# KiCad board poly_kb.kicad_pcb (continued)
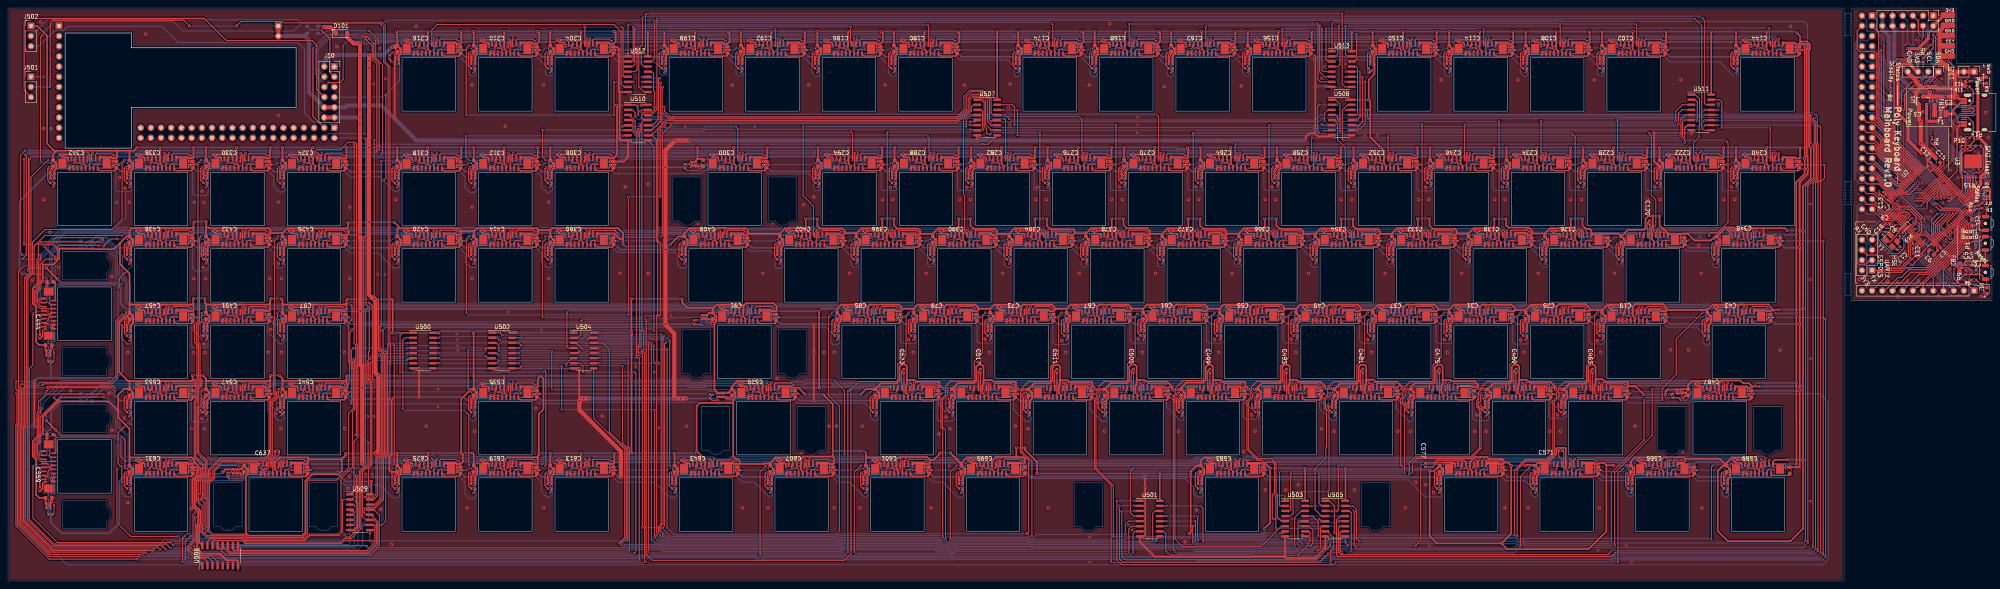
[diagram p0: board, top side]
## Routing (per net, layer and track width the routed paths; a pad name or vN(x,y) marks a point on that pad's centre or on a via; arc(x,y) is an arc through that point) (continued)
  Top w0.5: J2.A12 486.03,120.09 v1(485.34,120.78) ; J2.A1 485.9,113.59 v1(485.37,113.06) 485.37,110.41 486.31,109.47 v2(487.42,109.47) ; 487.45,124.69 487.42,124.66 R11.1 v1(486.18,123.24) 485.01,123.24 484.81,123.04 ; C12.2 479.24,106.23 C15.2 ; C3.2 476.05,116.99 475.86,117.18
  Top w1: C15.2 v1(476.36,109.11) 476.33,109.14 v1(476.33,114.6) 475.87,115.06 475.87,117.17 475.86,117.18 U1.1 475.71,118.94 475.7,118.94 475.11,119.53 475.11,121.95 476.2,123.04 ; 484.81,126.14 481,129.94 481,137.24 482.32,138.56 J1.3 ; 484.81,126.14 484.81,123.04 ; 484.81,126.14 484.81,126.29 485.52,127 J8.1 ; J9.1 J9.2 ; J10.9 J10.10 ; 483.29,120.78 484.81,120.78 ; 484.81,120.78 484.81,123.04 ; 484.81,120.78 v1(485.34,120.78) ; 484.81,123.04 484.59,122.82 480.43,122.82 480.06,123.19 480.03,123.16 478.01,123.16 477.9,123.05 476.42,123.05 476.3,123.16 ; 473.2,126.62 475.25,124.58 475.25,124.29 476.14,123.39 476.43,123.39 ; v1(168.8,45.5) v1(166.1,45.5) 165.89,45.71 165.89,61.72 163.7,63.91 v1(163.7,103.15) 163.7,107.39 164.64,108.33 164.67,108.33 v2(166.19,109.86) v2(167.82,109.86) v2(169.42,109.86) ; v2(152.63,25.93) 152.63,32.28 142.29,42.62 v1(142.29,44.99) 142.79,45.49 143.37,45.49 v1(143.38,45.5) v1(144.54,45.5)
  Bottom w0.292: v2(474.36,82.44) 476.09,84.17 v2(476.09,86.55) ; v2(487.42,109.47) 490.08,106.81 v2(490.73,106.81) v2(490.73,102.49) 492.63,100.58 492.63,95.4 v2(490.83,93.59) v1(490.83,91.29) v1(490.83,89.39) 490.83,88.81 v2(490.32,88.3) 491.28,87.34 491.28,79.19 v2(490.09,78) 488.47,76.38 ; 468.83,81.08 v2(468.83,81) ; v2(480.09,82.02) 480.09,80.62 484.38,76.33 488.42,76.33 488.47,76.38 ; v2(473,90.44) 471.42,88.86 v2(469.52,88.86) 467.26,88.86 v2(467.12,88.72) 466.42,88.02 466.42,87.58 466.9,87.1 v2(468.2,87.1) ; v2(488.47,75.06) 488.47,76.38
  Bottom w0.4: 428.76,130.72 429.48,130.72 ; 429.48,130.72 v1(429.87,131.1) ; 429.48,130.72 v1(429.87,131.1) ; 429.48,130.72 413.82,130.72 412.8,131.74 412.8,132.85 412.48,133.17 v1(411.92,133.17) 408.32,133.17 407.74,132.58 406.02,132.58 405.01,131.57 LED_101.3 403.39,132.09 401.69,132.09 v1(401.57,131.97) 397.4,131.97 v1(396.53,131.1) 396.14,130.72 394.77,130.72 393.75,131.74 393.75,132.85 393.43,133.17 v1(392.87,133.17) 389.27,133.17 388.69,132.58 386.97,132.58 385.96,131.57 LED_102.3 384.34,132.09 382.64,132.09 v1(382.52,131.97) 378.35,131.97 v1(377.48,131.1) 377.09,130.72 375.72,130.72 374.7,131.74 374.7,132.85 374.38,133.17 v1(373.82,133.17) 370.22,133.17 369.64,132.58 367.92,132.58 366.91,131.57 LED_103.3 365.29,132.09 363.59,132.09 v1(363.47,131.97) 359.3,131.97 v1(358.43,131.1) 358.04,130.72 356.67,130.72 355.65,131.74 355.65,132.85 355.33,133.17 v1(354.77,133.17) 351.17,133.17 350.59,132.58 348.87,132.58 347.86,131.57 LED_109.3 346.24,132.09 344.54,132.09 v1(344.42,131.97) 340.25,131.97 v1(339.38,131.1) 338.99,130.72 v1(325.38,130.72) 324.53,131.56 324.53,132.85 324.22,133.17 v1(323.65,133.17) 320.06,133.17 319.47,132.58 317.75,132.58 316.74,131.57 LED_110.3 315.13,132.09 313.43,132.09 v1(313.31,131.97) 309.13,131.97 v1(308.26,131.1) 307.88,130.72 306.5,130.72 305.48,131.74 305.48,132.85 305.17,133.17 v1(304.6,133.17) 301.01,133.17 300.42,132.58 298.7,132.58 297.69,131.57 LED_111.3 296.08,132.09 294.38,132.09 v1(294.26,131.97) 290.08,131.97 v1(289.21,131.1) 288.83,130.72 287.45,130.72 286.43,131.74 286.43,132.85 286.12,133.17 v1(285.55,133.17) 281.96,133.17 281.37,132.58 279.65,132.58 278.64,131.57 LED_112.3 277.03,132.09 275.33,132.09 v1(275.21,131.97) 271.03,131.97 v1(270.16,131.1) 269.78,130.72 268.4,130.72 267.38,131.74 267.38,132.85 267.07,133.17 v1(266.5,133.17) 262.91,133.17 262.32,132.58 260.6,132.58 259.59,131.57 LED_113.3 257.98,132.09 256.28,132.09 v1(256.16,131.97) 251.98,131.97 v1(251.11,131.1) 250.73,130.72 ; v1(445.25,133.17) 441.66,133.17 441.07,132.58 439.36,132.58 438.34,131.57 LED_108.3 436.73,132.09 435.03,132.09 v1(434.91,131.97) 430.73,131.97 v1(429.87,131.1) ; 250.01,130.72 250.73,130.72 ; 250.73,130.72 237.45,130.72 236.42,131.74 236.42,132.85 236.11,133.17 v1(235.54,133.17) 231.95,133.17 231.37,132.58 229.65,132.58 228.63,131.57 LED_114.3 227.02,132.09 225.32,132.09 v1(225.2,131.97) 221.02,131.97 v1(220.16,131.1) 219.77,130.72 218.4,130.72 217.37,131.74 217.37,132.85 217.06,133.17 v1(216.49,133.17) 212.9,133.17 212.32,132.58 210.6,132.58 209.58,131.57 LED_115.3 207.97,132.09 206.27,132.09 v1(206.15,131.97) 201.97,131.97 v1(201.11,131.1) 200.72,130.72 199.35,130.72 198.32,131.74 198.32,132.85 198.01,133.17 v1(197.44,133.17) 193.85,133.17 193.27,132.58 191.55,132.58 190.53,131.57 LED_116.3 188.92,132.09 187.22,132.09 v1(187.1,131.97) 182.92,131.97 v1(182.06,131.1) 181.67,130.72 180.3,130.72 179.27,131.74 179.27,132.85 178.96,133.17 v1(178.39,133.17) 174.8,133.17 174.22,132.58 172.5,132.58 171.48,131.57 LED_117.3 169.87,132.09 168.17,132.09 v1(168.05,131.97) 163.87,131.97 v1(163.01,131.1) 162.62,130.72 162.3,130.72 ; v1(96.49,131.1) 97.36,131.97 v1(101.53,131.97) 101.66,132.09 103.35,132.09 LED_120.3 104.97,131.57 105.98,132.58 107.7,132.58 108.29,133.17 v1(111.88,133.17) 112.44,133.17 112.76,132.85 112.76,131.74 113.78,130.72 114.44,130.72 114.44,130.72 115.15,130.72 v1(115.54,131.1) 116.41,131.97 v1(120.58,131.97) 120.71,132.09 122.4,132.09 LED_119.3 124.02,131.57 125.03,132.58 126.75,132.58 127.34,133.17 v1(130.93,133.17) 131.49,133.17 131.81,132.85 131.81,131.74 132.83,130.72 133.49,130.72 133.49,130.72 134.2,130.72 v1(134.59,131.1) 135.46,131.97 v1(139.63,131.97) 139.76,132.09 141.45,132.09 LED_118.3 143.07,131.57 144.08,132.58 145.8,132.58 146.39,133.17 v1(149.98,133.17) 150.54,133.17 150.85,132.86 150.85,132.1 152.24,130.72 162.3,130.72 ; 134.2,102.14 v1(134.59,102.53) ; v1(134.59,102.53) 135.46,103.4 v1(139.63,103.4) 139.76,103.52 141.45,103.52 LED_135.3 143.07,102.99 144.08,104 145.8,104 146.39,104.59 v1(149.98,104.59) 150.54,104.59 150.86,104.28 150.86,103.16 150.9,103.12 v1(172.26,103.12) 172.53,103.4 v1(177.73,103.4) 177.86,103.52 179.55,103.52 LED_134.3 181.17,102.99 182.18,104 183.9,104 184.49,104.59 v1(188.08,104.59) 188.64,104.59 188.96,104.28 188.96,103.16 189.98,102.14 200.88,102.14 v1(201.27,102.53) 202.13,103.4 v1(206.31,103.4) 206.43,103.52 208.13,103.52 LED_133.3 209.74,102.99 210.76,104 212.47,104 213.06,104.59 v1(216.65,104.59) 217.22,104.59 217.53,104.28 217.53,103.16 218.55,102.14 219.93,102.14 v1(220.32,102.53) 221.18,103.4 v1(225.36,103.4) 225.48,103.52 227.18,103.52 LED_132.3 228.79,102.99 229.81,104 231.52,104 232.11,104.59 v1(235.7,104.59) 236.27,104.59 236.58,104.28 236.58,103.16 237.6,102.14 238.98,102.14 v1(239.37,102.53) 240.23,103.4 v1(244.41,103.4) 244.53,103.52 246.23,103.52 LED_131.3 247.84,102.99 248.86,104 250.57,104 251.16,104.59 v1(254.75,104.59) 255.32,104.59 255.63,104.28 255.63,103.16 256.65,102.14 258.03,102.14 v1(258.42,102.53) 259.28,103.4 v1(263.46,103.4) 263.58,103.52 265.28,103.52 LED_130.3 266.89,102.99 267.91,104 269.62,104 270.21,104.59 v1(273.8,104.59) 274.37,104.59 274.68,104.28 274.68,103.16 275.7,102.14 277.08,102.14 v1(277.47,102.53) 278.33,103.4 v1(282.51,103.4) 282.63,103.52 284.33,103.52 LED_129.3 285.94,102.99 286.96,104 288.67,104 289.26,104.59 v1(292.85,104.59) 293.42,104.59 293.73,104.28 293.73,103.16 294.75,102.14 296.13,102.14 v1(296.52,102.53) 297.38,103.4 v1(301.56,103.4) 301.68,103.52 303.38,103.52 LED_128.3 304.99,102.99 306.01,104 307.72,104 308.31,104.59 v1(311.9,104.59) 312.47,104.59 312.78,104.28 312.78,103.16 313.8,102.14 315.18,102.14 v1(315.57,102.53) 316.43,103.4 v1(320.61,103.4) 320.73,103.52 322.43,103.52 LED_127.3 324.04,102.99 325.06,104 326.77,104 327.36,104.59 v1(330.95,104.59) 331.52,104.59 331.81,104.3 331.81,103.57 333.24,102.14 334.23,102.14 v1(334.62,102.53) 335.48,103.4 v1(339.66,103.4) 339.78,103.52 341.48,103.52 LED_126.3 343.09,102.99 344.11,104 345.82,104 346.41,104.59 v1(350,104.59) 350.57,104.59 350.88,104.28 350.88,103.16 351.9,102.14 353.28,102.14 v1(353.67,102.53) 354.53,103.4 v1(358.71,103.4) 358.83,103.52 360.53,103.52 LED_125.3 362.14,102.99 363.16,104 364.87,104 365.46,104.59 v1(369.05,104.59) 369.62,104.59 369.93,104.28 369.93,103.16 370.95,102.14 372.33,102.14 v1(372.72,102.53) 373.58,103.4 v1(377.76,103.4) 377.88,103.52 379.58,103.52 LED_123.3 381.19,102.99 382.21,104 383.92,104 384.51,104.59 v1(388.1,104.59) 388.67,104.59 388.98,104.28 388.98,103.16 390,102.14 391.38,102.14 v1(391.77,102.53) 392.63,103.4 v1(396.81,103.4) 396.93,103.52 398.63,103.52 LED_122.3 400.24,102.99 401.26,104 402.97,104 403.56,104.59 v1(407.15,104.59) 407.72,104.59 408.02,104.29 408.02,103.17 409.05,102.14 410.43,102.14 v1(410.82,102.53) 411.68,103.4 v1(415.86,103.4) 415.98,103.52 417.68,103.52 LED_121.3 419.29,102.99 420.31,104 422.02,104 422.61,104.59 v1(426.2,104.59) 426.77,104.59 427.08,104.28 427.08,103.16 428.1,102.14 429.48,102.14 v1(429.87,102.53) 430.73,103.4 v1(434.91,103.4) 435.03,103.52 436.73,103.52 LED_124.3 438.34,102.99 439.36,104 441.07,104 441.66,104.59 v1(445.25,104.59) 445.82,104.59 446.13,104.29 446.13,103.17 446.62,102.68 448.12,102.68 v1(448.13,102.67) ; v1(134.59,102.53) 134.15,102.09 132.83,102.09 131.81,103.11 131.81,104.23 131.49,104.54 v1(130.93,104.54) 127.34,104.54 126.75,103.96 125.03,103.96 124.02,102.94 LED_136.3 122.4,103.47 120.71,103.47 v1(120.58,103.35) 116.41,103.35 v1(115.54,102.48) 115.15,102.09 113.78,102.09 112.76,103.11 112.76,104.23 112.44,104.54 v1(111.88,104.54) 108.29,104.54 107.7,103.96 105.98,103.96 104.97,102.94 LED_137.3 103.35,103.47 101.66,103.47 v1(101.53,103.35) 97.36,103.35 v1(96.49,102.48) 96.1,102.09 95.75,102.09 ; 190.64,83.09 191.35,83.09 ; 191.35,83.09 185.22,83.09 184.2,84.11 184.2,85.23 183.88,85.54 v1(183.32,85.54) 179.72,85.54 179.14,84.96 177.42,84.96 176.41,83.94 LED_152.3 174.8,84.46 173.8,84.46 173.69,84.35 v1(172.97,84.35) 168.8,84.35 v1(167.93,83.48) 167.1,82.65 v1(163.73,82.65) 152.32,82.65 150.86,84.11 150.86,85.08 150.54,85.4 v1(149.98,85.4) 149.83,85.54 146.39,85.54 145.8,84.96 144.08,84.96 143.07,83.94 LED_144.3 141.47,84.46 140.46,84.46 140.35,84.35 v1(139.63,84.35) 135.46,84.35 v1(134.59,83.48) 134.2,83.09 132.83,83.09 131.81,84.11 131.81,85.23 131.49,85.54 v1(130.93,85.54) 127.34,85.54 126.75,84.96 125.03,84.96 124.02,83.94 LED_153.3 122.42,84.46 121.41,84.46 121.3,84.35 v1(120.58,84.35) 116.41,84.35 v1(115.54,83.48) 115.14,83.08 113.79,83.08 112.76,84.11 112.76,85.13 112.48,85.41 v1(111.91,85.41) 111.78,85.54 108.29,85.54 107.7,84.96 105.98,84.96 104.97,83.94 LED_154.3 103.37,84.46 102.36,84.46 102.25,84.35 v1(101.53,84.35) 97.36,84.35 v1(96.49,83.48) 96.1,83.09 85.2,83.09 ; 191.35,83.09 v1(191.74,83.48) 192.61,84.35 v1(196.78,84.35) 196.91,84.47 198.6,84.47 LED_151.3 200.22,83.94 201.23,84.96 202.95,84.96 203.54,85.54 v1(207.13,85.54) 207.69,85.54 208.01,85.23 208.01,84.11 209.03,83.09 210.15,83.09 ; 421.62,64.04 422.34,64.04 ; 422.34,64.04 v1(422.72,64.43) 423.59,65.3 v1(427.77,65.3) 428.48,65.3 428.59,65.41 429.6,65.41 LED_5.3 431.2,64.89 432.21,65.9 433.93,65.9 434.52,66.49 v1(438.11,66.49) 438.68,66.49 438.99,66.18 438.99,65.06 440.01,64.04 446.11,64.04 v1(446.16,64.09) ; 422.34,64.04 413.82,64.04 412.8,65.06 412.8,66.18 412.48,66.49 v1(411.92,66.49) 408.32,66.49 407.74,65.9 406.02,65.9 405.01,64.89 LED_1.3 403.4,65.41 402.4,65.41 402.29,65.3 v1(401.57,65.3) 397.4,65.3 v1(396.53,64.43) 396.14,64.04 394.77,64.04 393.75,65.06 393.75,66.18 393.43,66.49 v1(392.87,66.49) 389.27,66.49 388.69,65.9 386.97,65.9 385.96,64.89 LED_2.3 384.35,65.41 383.35,65.41 383.24,65.3 v1(382.52,65.3) 378.35,65.3 v1(377.48,64.43) 377.09,64.04 375.72,64.04 374.7,65.06 374.7,66.18 374.38,66.49 v1(373.82,66.49) 370.22,66.49 369.64,65.9 367.92,65.9 366.91,64.89 LED_3.3 365.3,65.41 364.3,65.41 364.19,65.3 v1(363.47,65.3) 359.3,65.3 v1(358.43,64.43) 358.04,64.04 356.67,64.04 355.65,65.06 355.65,66.18 355.33,66.49 v1(354.77,66.49) 351.17,66.49 350.59,65.9 348.87,65.9 347.86,64.89 LED_4.3 346.25,65.41 345.25,65.41 345.14,65.3 v1(344.42,65.3) 340.25,65.3 v1(339.38,64.43) 338.99,64.04 337.62,64.04 336.6,65.06 336.6,66.18 336.28,66.49 v1(335.72,66.49) 332.12,66.49 331.54,65.9 329.82,65.9 328.81,64.89 LED_6.3 327.2,65.41 326.2,65.41 326.09,65.3 v1(325.37,65.3) 321.2,65.3 v1(320.33,64.43) 319.94,64.04 319.55,64.04 ; v1(206.03,64.43) 206.9,65.3 v1(211.07,65.3) 211.79,65.3 211.9,65.41 212.9,65.41 LED_12.3 214.51,64.89 215.52,65.9 217.24,65.9 217.82,66.49 v1(221.42,66.49) 221.98,66.49 222.3,66.18 222.3,65.06 223.32,64.04 224.69,64.04 v1(225.08,64.43) 225.95,65.3 v1(230.12,65.3) 230.84,65.3 230.95,65.41 231.95,65.41 LED_11.3 233.56,64.89 234.57,65.9 236.29,65.9 236.87,66.49 v1(240.47,66.49) 241.03,66.49 241.35,66.18 241.35,65.06 242.37,64.04 243.74,64.04 v1(244.13,64.43) 245,65.3 v1(249.17,65.3) 249.89,65.3 250,65.41 251,65.41 LED_10.3 252.61,64.89 253.62,65.9 255.34,65.9 255.92,66.49 v1(259.52,66.49) 260.08,66.49 260.4,66.18 260.4,65.06 261.42,64.04 262.79,64.04 v1(263.18,64.43) 264.05,65.3 v1(268.22,65.3) 268.94,65.3 269.05,65.41 270.05,65.41 LED_9.3 271.66,64.89 272.67,65.9 274.39,65.9 274.97,66.49 v1(278.57,66.49) 279.13,66.49 279.45,66.18 279.45,65.06 280.47,64.04 281.4,64.04 ; v1(206.03,64.43) 205.64,64.04 ; v1(206.03,64.43) 205.63,64.03 v1(200.66,64.03) 200.67,64.04 192.36,64.04 191.34,65.06 191.34,66.18 191.03,66.49 v1(190.46,66.49) 186.87,66.49 186.28,65.9 184.56,65.9 183.55,64.89 LED_13.3 181.95,65.41 180.94,65.41 180.83,65.3 v1(180.12,65.3) 175.83,65.3 v1(175.07,64.54) 172.61,64.54 172.12,64.04 v1(163.71,64.04) 85.2,64.04 84.18,65.06 84.18,66.11 83.93,66.36 v1(83.37,66.36) 83.28,66.45 79.85,66.45 79.31,65.9 77.41,65.9 76.39,64.89 LED_14.3 74.78,65.42 73.84,65.42 73.72,65.3 v1(72.96,65.3) 68.9,65.3 v1(67.97,64.37) 67.57,63.97 66.23,63.97 65.38,64.82 ; 378.76,25.94 379.47,25.94 ; 379.47,25.94 379.83,26.3 v1(379.89,26.3) 380.79,27.2 v1(384.9,27.2) 385.03,27.32 386.72,27.32 LED_35.3 388.34,26.79 389.35,27.8 391.07,27.8 391.66,28.39 v1(395.25,28.39) 395.81,28.39 396.13,28.08 396.13,26.96 397.15,25.94 403.29,25.94 v1(403.67,26.33) 404.54,27.2 v1(408.72,27.2) 408.84,27.32 410.53,27.32 LED_34.3 412.15,26.79 413.16,27.8 414.88,27.8 415.47,28.39 v1(419.06,28.39) 419.63,28.39 419.94,28.08 419.94,26.96 420.96,25.94 427.1,25.94 ; 379.47,25.94 373.34,25.94 372.31,26.96 372.31,28.08 372,28.39 v1(371.43,28.39) 367.84,28.39 367.26,27.8 365.54,27.8 364.52,26.79 LED_36.3 362.92,27.31 361.92,27.31 361.81,27.2 v1(361.09,27.2) 356.95,27.2 v1(356.06,26.31) 355.61,25.86 326.16,25.86 326.08,25.94 313.8,25.94 312.78,26.97 312.78,28.08 312.47,28.39 v1(311.9,28.39) 308.31,28.39 307.72,27.8 306.01,27.8 304.99,26.79 LED_37.3 303.39,27.31 302.39,27.31 302.33,27.25 301.73,27.25 v1(301.61,27.13) 297.31,27.13 v1(296.52,26.33) 296.13,25.94 ; 295.41,25.94 296.13,25.94 ; 296.13,25.94 293.37,25.94 293.31,26.01 v1(283.08,26.09) 283.01,26.01 254.65,26.01 v1(252.7,27.96) 251.98,27.96 251.55,28.39 248.78,28.39 248.19,27.8 246.47,27.8 245.46,26.79 LED_39.3 243.85,27.32 242.93,27.32 242.87,27.26 242.09,27.26 v1(242.03,27.2) 237.85,27.2 v1(236.98,26.33) 236.58,25.93 230.47,25.93 229.44,26.96 229.44,28.08 229.13,28.39 v1(228.56,28.39) 224.97,28.39 224.38,27.8 222.77,27.8 221.76,26.79 LED_40.3 220.03,27.32 219.24,27.32 219.21,27.29 218.31,27.29 v1(218.22,27.2) 214.04,27.2 v1(213.17,26.33) 212.79,25.94 206.65,25.94 205.63,26.96 205.63,28.08 205.31,28.39 v1(204.75,28.39) 201.16,28.39 200.57,27.8 198.85,27.8 197.84,26.79 LED_41.3 196.23,27.31 195.18,27.31 195.05,27.17 v1(194.38,27.17) 194.24,27.03 190.06,27.03 v1(189.36,26.33) 188.97,25.94 182.84,25.94 181.81,26.96 181.81,28.08 181.5,28.39 v1(180.93,28.39) 177.34,28.39 176.76,27.8 175.04,27.8 174.02,26.79 LED_47.3 172.41,27.32 171.59,27.32 171.57,27.3 170.7,27.3 v1(170.59,27.2) 166.41,27.2 v1(165.55,26.33) 165.16,25.94 152.62,25.94 ; v1(442.87,28.39) 439.28,28.39 438.69,27.8 436.97,27.8 435.96,26.79 LED_38.3 434.36,27.31 433.36,27.31 433.24,27.19 v1(432.53,27.19) 432.47,27.13 428.28,27.13 v1(427.48,26.33) 427.1,25.94 ; 426.38,25.94 427.1,25.94 ; 114.44,25.94 115.15,25.94 ; 115.15,25.94 113.78,25.94 112.76,26.96 112.76,28.08 112.44,28.39 v1(111.88,28.39) 108.29,28.39 107.7,27.8 105.98,27.8 104.97,26.79 LED_44.3 103.35,27.32 101.66,27.32 v1(101.53,27.2) 97.36,27.2 v1(96.49,26.33) 96.09,25.93 86.96,25.93 v1(86.81,26.07) 85.53,27.36 81.99,27.36 81.56,26.92 74.7,26.92 74.66,26.96 74.66,28.08 74.34,28.39 v1(73.78,28.39) 70.19,28.39 69.6,27.8 67.88,27.8 66.87,26.79 LED_46.3 65.25,27.32 63.56,27.32 v1(63.43,27.2) 59.1,27.2 v1(58.31,26.41) 58.13,26.23 54.72,26.23 54.48,25.99 47.06,25.99 46.07,26.98 46.07,28.09 45.77,28.39 v1(45.2,28.39) 41.61,28.39 41.02,27.8 39.31,27.8 38.29,26.79 LED_45.3 36.68,27.32 35.55,27.32 35.42,27.18 v1(34.85,27.18) 30.67,27.18 v1(29.82,26.33) 29.42,25.93 28.65,25.93 27.68,24.96 27.68,14.34 25.24,11.91 13.33,11.91 10.66,14.58 10.66,19.74 v1(10.77,19.85) v1(10.77,25.28) 10.77,30.56 9.67,31.67 v1(9.67,35.64) ; 115.15,25.94 v1(115.54,26.33) 116.41,27.2 v1(120.58,27.2) 120.69,27.3 121.58,27.3 121.59,27.31 122.41,27.31 LED_43.3 124.02,26.79 125.03,27.8 126.75,27.8 127.34,28.39 130.83,28.39 v1(130.92,28.3) 131.49,28.3 131.81,27.98 131.81,26.96 132.84,25.93 134.19,25.93 v1(134.59,26.33) 135.46,27.2 v1(139.63,27.2) 139.76,27.32 141.45,27.32 LED_42.3 143.07,26.79 144.08,27.8 145.8,27.8 146.39,28.39 v1(149.98,28.39) 150.54,28.39 150.86,28.08 150.86,26.96 151.88,25.94 v2(152.63,25.93) ; v1(9.66,73.72) 9.66,75.09 8.2,76.54 3.57,76.54 3.5,76.62 ; v1(9.66,73.72) 9.66,69.75 10.77,68.65 v1(10.77,63.37) v1(10.77,57.94) 10.66,57.82 10.66,50.68 10.6,50.63 ; v1(9.66,73.72) 10.89,74.95 10.89,81.39 12.47,82.97 13.44,82.97 13.45,82.98 LED_158.3 19.24,82.98 20.29,84.03 21.62,84.03 23.22,85.63 24.58,85.63 27.14,83.08 29.42,83.08 v1(29.82,83.48) 30.68,84.35 v1(34.86,84.35) 35.58,84.35 35.69,84.46 36.69,84.46 LED_157.3 38.29,83.94 39.31,84.95 41.02,84.95 41.61,85.54 v1(45.2,85.54) 45.77,85.54 46.08,85.23 46.08,84.11 47.1,83.09 48.51,83.09 v1(48.88,83.46) 49.77,84.35 v1(53.91,84.35) 54.63,84.35 54.74,84.46 55.74,84.46 LED_156.3 57.34,83.94 58.36,84.95 60.07,84.95 60.66,85.54 v1(64.25,85.54) 64.82,85.54 65.13,85.23 65.13,84.11 66.15,83.09 67.53,83.09 v1(67.92,83.48) 68.78,84.35 v1(72.96,84.35) 73.68,84.35 73.79,84.46 74.79,84.46 LED_155.3 76.39,83.94 77.41,84.95 79.12,84.95 79.71,85.54 v1(83.3,85.54) 83.87,85.54 84.18,85.23 84.18,84.11 84.34,83.95 ; v1(45.6,47.99) 44.69,47.99 44.4,47.7 44.4,47.37 ; 95.39,102.09 95.75,102.09 ; 95.75,102.09 85.2,102.09 84.18,103.11 84.18,104.23 83.87,104.54 v1(83.3,104.54) 79.71,104.54 79.12,103.96 77.41,103.96 76.39,102.94 LED_138.3 74.78,103.47 73.08,103.47 v1(72.96,103.35) 68.78,103.35 v1(67.92,102.48) 67.53,102.09 66.2,102.09 65.13,103.16 65.13,104.28 64.82,104.59 v1(64.25,104.59) 60.66,104.59 60.07,104 58.36,104 57.34,102.99 LED_139.3 55.73,103.52 54.03,103.52 v1(53.91,103.4) 49.73,103.4 v1(48.87,102.53) 48.48,102.14 47.1,102.14 46.08,103.16 46.08,104.28 45.77,104.59 v1(45.2,104.59) 41.61,104.59 41.02,104 39.31,104 38.29,102.99 LED_140.3 36.68,103.52 34.98,103.52 v1(34.86,103.4) 30.68,103.4 v1(29.82,102.53) 29.43,102.14 28.71,102.14 28.05,102.14 27.03,103.16 27.03,104.28 26.72,104.59 v1(26.15,104.59) 22.56,104.59 21.98,104 20.26,104 19.24,102.99 LED_141.3 17.63,103.52 15.93,103.52 v1(15.81,103.4) 11.63,103.4 v1(10.77,102.53) 2.86,94.63 2.86,77.25 3.53,76.59 ; v1(6.56,38.46) 8.21,38.46 9.67,37 v1(9.67,35.64) ; 319.23,64.04 319.55,64.04 ; 319.55,64.04 318.57,64.04 317.55,65.06 317.55,66.18 317.23,66.49 v1(316.67,66.49) 313.07,66.49 312.49,65.9 310.77,65.9 309.76,64.89 LED_7.3 308.15,65.41 307.15,65.41 307.04,65.3 v1(306.32,65.3) 302.15,65.3 v1(301.28,64.43) 300.89,64.04 300.52,64.04 ; 162.3,130.72 161.91,130.72 ; 300.18,64.04 300.52,64.04 ; 300.52,64.04 299.52,64.04 298.5,65.06 298.5,66.18 298.18,66.49 v1(297.62,66.49) 294.02,66.49 293.44,65.9 291.72,65.9 290.71,64.89 LED_8.3 289.1,65.41 288.1,65.41 287.98,65.29 v1(287.28,65.29) 287.22,65.23 283.03,65.23 v1(282.23,64.43) 281.84,64.04 281.4,64.04 ; 343.42,83.09 343.75,83.09 v1(344.14,83.48) 345.01,84.35 v1(349.18,84.35) 349.31,84.47 351,84.47 LED_107.3 352.62,83.94 353.63,84.96 355.35,84.96 355.94,85.54 v1(359.53,85.54) 360.09,85.54 360.41,85.23 360.41,84.11 361.43,83.09 362.8,83.09 v1(363.19,83.48) 364.06,84.35 v1(368.23,84.35) 368.36,84.47 370.05,84.47 LED_106.3 371.67,83.94 372.68,84.96 374.4,84.96 374.99,85.54 v1(378.58,85.54) 379.14,85.54 379.46,85.23 379.46,84.11 380.48,83.09 381.85,83.09 v1(382.24,83.48) 383.11,84.35 v1(387.28,84.35) 387.41,84.47 389.1,84.47 LED_105.3 390.72,83.94 391.73,84.96 393.45,84.96 394.04,85.54 v1(397.63,85.54) 398.19,85.54 398.51,85.23 398.51,84.11 399.53,83.09 400.9,83.09 v1(401.29,83.48) 402.16,84.35 v1(406.33,84.35) 406.46,84.47 408.15,84.47 LED_104.3 409.77,83.94 410.78,84.96 412.5,84.96 413.09,85.54 v1(416.68,85.54) 417.24,85.54 417.56,85.23 417.56,84.11 418.58,83.09 424.21,83.09 ; 343.42,83.09 342.38,83.09 341.36,84.11 341.36,85.23 341.04,85.54 v1(340.48,85.54) 336.89,85.54 336.3,84.96 334.58,84.96 333.57,83.94 LED_143.3 331.95,84.47 330.26,84.47 v1(330.13,84.35) 325.96,84.35 v1(325.09,83.48) 324.7,83.09 323.33,83.09 322.31,84.11 322.31,85.23 321.99,85.54 v1(321.43,85.54) 317.84,85.54 317.25,84.96 315.53,84.96 314.52,83.94 LED_145.3 312.9,84.47 311.21,84.47 v1(311.08,84.35) 306.91,84.35 v1(306.04,83.48) 305.65,83.09 304.28,83.09 303.26,84.11 303.26,85.23 302.94,85.54 v1(302.38,85.54) 298.79,85.54 298.2,84.96 296.48,84.96 295.47,83.94 LED_146.3 293.85,84.47 292.16,84.47 v1(292.03,84.35) 287.86,84.35 v1(286.99,83.48) 286.6,83.09 285.23,83.09 284.21,84.11 284.21,85.23 283.89,85.54 v1(283.33,85.54) 279.74,85.54 279.15,84.96 277.43,84.96 276.42,83.94 LED_147.3 274.8,84.47 273.11,84.47 v1(272.98,84.35) 268.81,84.35 v1(267.94,83.48) 267.55,83.09 266.18,83.09 265.16,84.11 265.16,85.23 264.84,85.54 v1(264.28,85.54) 260.69,85.54 260.1,84.96 258.38,84.96 257.37,83.94 LED_148.3 255.75,84.47 254.06,84.47 v1(253.93,84.35) 249.76,84.35 v1(248.89,83.48) 248.5,83.09 247.13,83.09 246.11,84.11 246.11,85.23 245.79,85.54 v1(245.23,85.54) 241.64,85.54 241.05,84.96 239.33,84.96 238.32,83.94 LED_149.3 236.7,84.47 235.01,84.47 v1(234.88,84.35) 230.71,84.35 v1(229.84,83.48) 229.45,83.09 228.08,83.09 227.06,84.11 227.06,85.23 226.74,85.54 v1(226.18,85.54) 222.59,85.54 222,84.96 220.28,84.96 219.27,83.94 LED_150.3 217.65,84.47 215.96,84.47 v1(215.83,84.35) 211.66,84.35 v1(210.79,83.48) 210.4,83.09 210.15,83.09 ; 343.42,83.09 343.04,83.09 ; v1(166.1,45.5) 176.34,45.5 176.74,45.9 179.43,45.9 v1(179.83,45.5) 180.58,46.25 v1(184.88,46.25) 185.6,46.25 185.71,46.36 186.71,46.36 LED_28.3 188.31,45.84 189.32,46.85 191.04,46.85 191.63,47.44 v1(195.22,47.44) 195.79,47.44 196.1,47.13 196.1,46.01 197.12,44.99 v1(200.67,44.99) 215.17,44.99 v1(215.55,45.38) 216.42,46.25 v1(220.6,46.25) 220.7,46.35 221.6,46.35 221.62,46.36 222.42,46.36 LED_27.3 224.03,45.84 225.04,46.85 226.76,46.85 227.35,47.44 v1(230.94,47.44) 231.51,47.44 231.82,47.13 231.82,43.85 233.32,42.34 233.96,42.34 234.5,42.88 v1(234.5,45.45) 235.14,46.09 239.49,46.09 v1(239.65,46.25) 239.77,46.37 241.47,46.37 LED_26.3 243.08,45.84 244.09,46.85 245.81,46.85 246.4,47.44 v1(249.99,47.44) 250.56,47.44 250.85,47.15 250.85,46.04 251.99,44.89 253.35,44.89 v1(253.75,45.29) 254.71,46.25 v1(258.7,46.25) 258.82,46.37 260.52,46.37 LED_25.3 262.13,45.84 263.14,46.85 264.86,46.85 265.45,47.44 v1(269.04,47.44) 269.61,47.44 269.9,47.15 269.9,45.6 271.3,44.2 271.56,44.2 v1(272.42,45.05) 273.61,46.25 v1(277.75,46.25) 277.87,46.37 279.57,46.37 LED_24.3 281.18,45.84 282.19,46.85 283.91,46.85 284.5,47.44 v1(288.09,47.44) 288.66,47.44 288.94,47.16 288.94,46.31 290.52,44.73 291.26,44.73 v1(291.66,45.13) 292.77,46.25 v1(296.8,46.25) 296.92,46.37 298.62,46.37 LED_23.3 300.23,45.84 301.24,46.85 302.96,46.85 303.55,47.44 v1(307.14,47.44) 307.71,47.44 308.02,47.13 308.02,44.45 309.35,43.13 310.49,43.13 310.64,43.27 v1(310.64,45.38) 310.78,45.38 311.64,46.25 v1(315.85,46.25) 315.97,46.37 317.67,46.37 LED_22.3 319.28,45.84 320.29,46.85 322.01,46.85 322.6,47.44 v1(326.19,47.44) 326.76,47.44 327.05,47.15 327.05,44.78 328.5,43.33 329.11,43.33 329.74,43.96 v1(329.74,45.28) 330.7,46.25 v1(334.9,46.25) 335.02,46.37 336.72,46.37 LED_20.3 338.33,45.84 339.34,46.85 341.06,46.85 341.65,47.44 v1(345.24,47.44) 345.81,47.44 346.12,47.13 346.12,45.19 347.4,43.92 348.13,43.92 348.84,44.62 v1(348.84,45.39) 349.69,46.25 v1(353.95,46.25) 354.07,46.37 355.77,46.37 LED_19.3 357.38,45.84 358.39,46.85 360.11,46.85 360.69,47.44 363.57,47.44 363.72,47.28 364.36,47.28 v1(364.6,47.04) 366.12,45.52 366.12,43.38 366.47,43.03 367.06,43.03 367.65,43.62 v1(367.65,45.31) 368.58,46.25 v1(373,46.25) 373.12,46.37 374.82,46.37 LED_18.3 376.43,45.84 377.44,46.85 379.16,46.85 379.75,47.44 v1(383.34,47.44) 383.91,47.44 384.19,47.16 384.19,44.64 385.42,43.41 386.11,43.41 386.73,44.03 v1(386.73,45.2) 386.88,45.2 387.92,46.25 v1(392.05,46.25) 392.17,46.37 393.87,46.37 LED_17.3 395.48,45.84 396.49,46.85 398.21,46.85 398.8,47.44 v1(402.39,47.44) 402.96,47.44 403.27,47.13 403.27,46.01 403.54,45.75 v1(417.19,45.75) 417.7,46.25 v1(423,46.25) 423.72,46.25 423.83,46.36 424.83,46.36 LED_21.3 426.44,45.84 427.45,46.85 429.17,46.85 429.76,47.44 v1(433.35,47.44) 446.05,47.44 v1(446.16,47.54) ; 424.21,83.09 424.72,83.09 v1(425.1,83.48) 425.97,84.35 v1(430.15,84.35) 430.86,84.35 430.97,84.46 431.98,84.46 LED_142.3 433.58,83.94 434.59,84.96 436.51,84.96 437.09,85.54 v1(440.49,85.54) 441.06,85.54 441.37,85.23 441.37,84.11 442.39,83.09 446.14,83.09 v1(446.16,83.1) ; 424.21,83.09 424,83.09 ; 10.6,50.63 7.4,50.63 v1(6.56,49.79) ; 10.6,50.63 26.99,50.63 28.47,52.11 28.47,62.99 v1(29.77,64.29) 30.78,65.3 v1(34.86,65.3) 35.58,65.3 35.69,65.41 36.69,65.41 LED_16.3 38.29,64.89 39.31,65.9 41.02,65.9 41.61,66.49 v1(45.2,66.49) 45.77,66.49 46.08,66.18 46.08,64.44 46.2,64.33 46.2,62.42 47.85,60.77 48.46,60.77 48.85,61.16 v1(48.85,64.45) 49.58,65.19 53.9,65.19 v1(53.99,65.27) 54.61,65.27 54.74,65.41 55.74,65.41 LED_15.3 57.34,64.89 58.36,65.9 60.07,65.9 60.66,66.49 64.24,66.49 v1(64.29,66.43) 64.86,66.43 65.11,66.18 65.11,65.09 65.38,64.82 ; 85.2,83.09 84.34,83.95 ; 85.2,83.09 84.34,83.95 ; 44.4,47.37 44.4,47.09 44.77,46.72 45.83,46.72 47.23,45.32 47.23,42.41 47.75,41.88 48.36,41.88 48.77,42.29 v1(48.77,45.42) 49.58,46.23 v1(53.93,46.23) 54.61,46.23 54.74,46.36 55.74,46.36 LED_31.3 57.34,45.84 58.36,46.85 60.07,46.85 60.65,47.43 v1(64.26,47.43) 64.83,47.43 65.27,46.99 65.27,44.03 66.67,42.63 67.25,42.63 67.63,43.01 67.63,45.23 v1(67.83,45.43) 68.65,46.25 v1(72.96,46.25) 73.68,46.25 73.79,46.36 74.79,46.36 LED_30.3 76.39,45.84 77.41,46.85 79.12,46.85 79.71,47.44 83.22,47.44 v1(83.34,47.32) 83.91,47.32 85.85,45.38 v1(95.51,45.38) 95.99,45.86 v1(102.33,45.86) 102.25,45.86 113.57,45.86 114.44,44.99 115.15,44.99 v1(115.54,45.38) 116.41,46.25 v1(120.58,46.25) 120.71,46.37 122.4,46.37 LED_29.3 124.02,45.84 125.03,46.85 126.75,46.85 127.34,47.44 v1(130.93,47.44) 131.49,47.44 131.81,47.13 131.81,46.01 132.83,44.99 v1(142.29,44.99) ; 44.4,47.37 44.29,47.48 41.65,47.48 41.02,46.85 39.31,46.85 38.29,45.84 LED_32.3 36.69,46.36 35.69,46.36 35.58,46.25 v1(34.86,46.25) 30.68,46.25 v1(29.82,45.38) 29.42,44.98 27.88,44.98 25.07,47.78 23.51,47.78 21.63,45.91 20.26,45.91 19.24,44.89 LED_33.3 13.46,44.89 ; v1(9.67,35.64) 9.67,37.02 10.75,38.1 10.75,42.18 13.46,44.89 ; v1(142.23,53) v1(121.96,53) v1(102.28,53) ; 210.15,83.09 209.69,83.09 ; 13.46,44.89 13.33,44.77 ; 281.4,64.04 281.13,64.04 ; 65.38,64.82 66.15,64.04 ; v1(419.2,111.63) 419.1,111.73 v1(409.85,111.73) ; v1(325.55,123.34) v1(328.24,123.34)
  Bottom w0.5: v1(485.37,113.06) 483.45,114.97 483.45,119.01 485.22,120.78 v1(485.34,120.78)
  Bottom w1: v2(323.09,109.86) v1(301.24,109.86) v2(241.33,109.86) v2(233.81,109.86) v2(169.42,109.86) 169.54,109.86 101.7,109.86 v1(96.32,115.24) 92.96,118.59 84.48,118.59 84,118.11 J10.9 ; J3.9 J3.10 469.7,138 v1(469.7,133.6) v1(469.7,131.29) 469.7,130.12 472.82,127 J6.4 ; v1(168.8,45.5) v1(167.48,45.5) v1(166.1,45.5) v1(143.38,45.5) 142.8,45.5 v1(142.29,44.99) ; 152.62,25.94 v2(152.63,25.93) ; J9.2 73.81,135.89 ; 73.81,135.89 LED_INDICATOR101.3 ; 73.81,135.89 74.99,134.71 74.99,121.86 J10.10
  vias: v1(6.1,75.13) v1(8.13,139.45) v1(8.89,112.78) v1(8.89,95.12) v1(10.44,86.94) v1(10.67,112.78) v1(15.62,47.42) v1(25.15,46.74) v1(25.91,75.95) v1(25.91,37.59) v1(27.05,94.41) v1(27.74,100.58) v1(28.96,40.64) v1(29.16,97.94) v1(29.84,57.02) v1(29.84,19.56) v1(30.2,94.46) v1(34.29,136.4) v1(45.59,18.03) v1(46.2,56.95) v1(46.25,75.44) v1(46.38,94.44) v1(48.29,97.23) v1(48.26,40.51) v1(48.59,78.23) v1(48.74,94.41) v1(48.82,59.06) v1(48.89,37.97) v1(49.1,56.92) v1(49.2,75.41) v1(64.77,57.02) v1(65.15,75.44) v1(65.41,62.74) v1(66.68,41.78) v1(67.31,116.08) v1(67.31,94.49) v1(67.31,79.25) v1(67.94,37.97) v1(68.07,75.44) v1(68.07,57.02) v1(81.91,133.22) v1(83.82,57.02) v1(83.82,37.97) v1(84.71,23.11) v1(84.96,26.04) v1(85.09,93.22) v1(85.09,75.44) v1(92.84,17.91) v1(95.5,9.14) v1(96.52,95.12) v1(101.6,138.3) v1(104.14,38.61) v1(114.3,18.29) v1(115.57,123.7) v1(115.57,93.22) v1(115.57,75.44) v1(116.2,37.34) v1(123.82,113.41) v1(131.44,43.05) v1(133.35,123.7) v1(133.35,18.29) v1(134.62,94.49) v1(134.62,75.44) v1(147.95,41.15) v1(152.4,76.71) v1(153.67,98.3) v1(159.38,98.93) v1(159.38,76.71) v1(168.91,38.61) v1(180.34,123.7) v1(182.88,18.29) v1(187.96,76.71) v1(189.23,18.29) v1(191.52,50.55) v1(198.12,93.85) v1(199.39,123.7) v1(200.66,95.76) v1(203.2,57.02) v1(204.47,38.61) v1(205.74,57.02) v1(205.74,18.29) v1(206.25,38.63) v1(209.55,76.71) v1(212.09,18.29) v1(212.73,38.61) v1(217.81,95.12) v1(218.44,123.7) v1(219.71,98.17) v1(220.34,95.12) v1(222.38,57.02) v1(224.28,60.2) v1(225.43,57.02) v1(228.6,76.71) v1(229.87,18.29) v1(231.77,36.63) v1(233.55,40.89) v1(234.57,37.97) v1(236.98,95.12) v1(238.12,123.7) v1(238.76,98.17) v1(239.65,95.12) v1(241.55,57.02) v1(243.33,60.33) v1(244.35,57.02) v1(247.65,76.71) v1(249.56,123.95) v1(250.82,38.61) v1(254,37.97) v1(255.9,95.12) v1(256.29,98.17) v1(258.57,95.12) v1(259.08,18.29) v1(260.6,57.02) v1(262.38,59.94) v1(263.4,57.02) v1(266.7,76.71) v1(269.24,123.7) v1(273.05,37.34) v1(274.32,138.94) v1(274.83,95.12) v1(276.73,98.3) v1(277.5,95.12) v1(279.65,57.02) v1(281.43,60.33) v1(282.45,57.02) v1(285.75,76.71) v1(287.91,123.32) v1(291.46,37.34) v1(293.12,9.78) v1(294,95.12) v1(295.78,98.3) v1(295.91,17.65) v1(296.55,95.12) v1(298.32,57.02) v1(300.48,60.2) v1(301.5,57.02) v1(304.8,76.71) v1(307.09,123.44) v1(307.72,32.26) v1(309.63,41.4) v1(310.51,37.34) v1(313.06,95.12) v1(313.06,22.73) v1(314.71,98.3) v1(315.59,95.12) v1(317.75,57.02) v1(318.13,22.73) v1(319.53,60.33) v1(320.68,57.02) v1(321.31,24) v1(323.85,76.71) v1(327.02,37.97) v1(330.2,37.34) v1(331.98,95.12) v1(333.76,98.3) v1(334.64,95.12) v1(335.28,22.73) v1(336.68,57.02) v1(338.58,60.2) v1(339.47,57.02) v1(342.9,76.71) v1(346.07,37.34) v1(347.98,18.29) v1(349.25,37.34) v1(350.52,24.64) v1(351.28,95.12) v1(353.06,98.17) v1(353.06,24) v1(353.82,95.12) v1(354.96,22.1) v1(355.85,57.02) v1(356.87,124.97) v1(357.63,60.2) v1(358.39,57.02) v1(361.95,76.71) v1(365.25,37.34) v1(365.76,41.4) v1(368.05,37.34) v1(370.2,95.12) v1(372.11,98.3) v1(372.75,95.12) v1(372.75,18.29) v1(374.9,57.02) v1(375.92,124.97) v1(376.68,60.07) v1(377.44,57.02) v1(378.46,18.29) v1(381,76.71) v1(383.92,37.34) v1(385.83,41.4) v1(386.59,37.34) v1(389.13,95.12) v1(391.03,98.3) v1(391.8,95.12) v1(393.95,57.02) v1(394.97,124.97) v1(395.73,59.94) v1(396.24,18.29) v1(396.62,57.02) v1(400.05,76.71) v1(405.13,38.61) v1(408.31,95.12) v1(410.08,98.3) v1(411.35,95.12) v1(414.02,57.66) v1(416.56,124.97) v1(418.46,57.66) v1(421,83.69) v1(421.64,76.71) v1(421.77,18.16) v1(427.23,95.12) v1(429.13,98.3) v1(430.02,95.12) v1(441.32,57.53) v1(443.87,138.3) v1(461.01,75.21) v1(465.1,74.47) v1(467.99,74.8) v1(470.61,70.92) v1(472.69,131.32) v1(473,74.83) v1(475.69,74.83) v1(478.26,73.89) v1(480.47,74.02) v1(480.75,70.97) v1(483.51,77.77) v1(486.23,124.66) v1(486.31,110.52) v1(486.64,80.77) v1(488.54,82.68) v1(491.34,70.94) v1(492.48,116.81) v1(493.14,110.62) v1(493.17,100.99) v1(493.22,99.67) v2(12.6,78.26) v2(30.48,39.12) v2(45.67,37.95) v2(83.82,11.56) v2(89.03,26.67) v2(89.53,41.02) v2(90.68,26.67) v2(91.06,123.95) v2(91.19,41.02) v2(92.07,76.45) v2(92.58,132.84) v2(93.85,76.45) v2(93.98,125.22) v2(103.12,62.61) v2(107.06,47.88) v2(107.06,43.43) v2(111.76,61.59) v2(111.89,60.2) v2(111.89,58.67) v2(112.01,57.53) v2(124.59,67.06) v2(132.84,62.61) v2(156.34,53.47) v2(160.91,52.07) v2(162.05,38.23) v2(165.1,66.17) v2(168.66,113.28) v2(171.83,89.03) v2(185.93,113.28) v2(190.37,88.9) v2(197.61,31.88) v2(234.31,28.7) v2(249.17,118.11) v2(249.43,113.79) v2(269.37,10.92) v2(269.37,4.7) v2(279.02,13.97) v2(279.91,12.7) v2(281.18,111.76) v2(281.31,115.7) v2(281.31,113.79) v2(327.15,125.35) v2(327.79,128.27) v2(333.12,128.91) v2(337.82,111.12) v2(341,111.12) v2(353.95,8.76) v2(395.99,7.62) v2(402.97,8.89) v2(404.24,4.7) v2(417.07,32) v2(421.39,85.85) v2(425.96,118.87) v2(448.79,94.03) v2(448.82,75.16) v2(448.82,19.91) v2(448.84,55.45) v2(462.79,89.69) v2(465.58,84.33) v2(465.71,82.3) v2(467.33,93.47) v2(467.36,82.55) v2(468.12,81.79) v2(470.54,94.74) v2(470.54,74.65) v2(470.61,114.76) v2(470.61,80.77) v2(471.68,81.41) v2(472.31,85.47) v2(472.44,82.17) v2(472.57,133.73) v2(475.11,134.87) v2(476.63,99.24) v2(477.77,123.06) v2(478.92,92.2) v2(479.17,107.7) v2(481.58,125.22) v2(481.81,94.36) v2(482.12,83.72) v2(482.63,85.22) v2(482.9,105.08) v2(483.46,111.12) v2(483.77,102.44) v2(485.6,100.56) v2(488.98,85.5)
